# Altium PCB STM32F7_CoreBoard.PcbDoc (part 3 of 8)
Units mm, origin at the board's own origin, x right, y up, seen from the top; angles counter-clockwise.
Board outline 65 x 50 mm, 6 copper layers (L1, L2, L3, L4, L5, L6), stack 1.597 mm thick; 114 components, 192 nets, 736 pads, 791 vias.
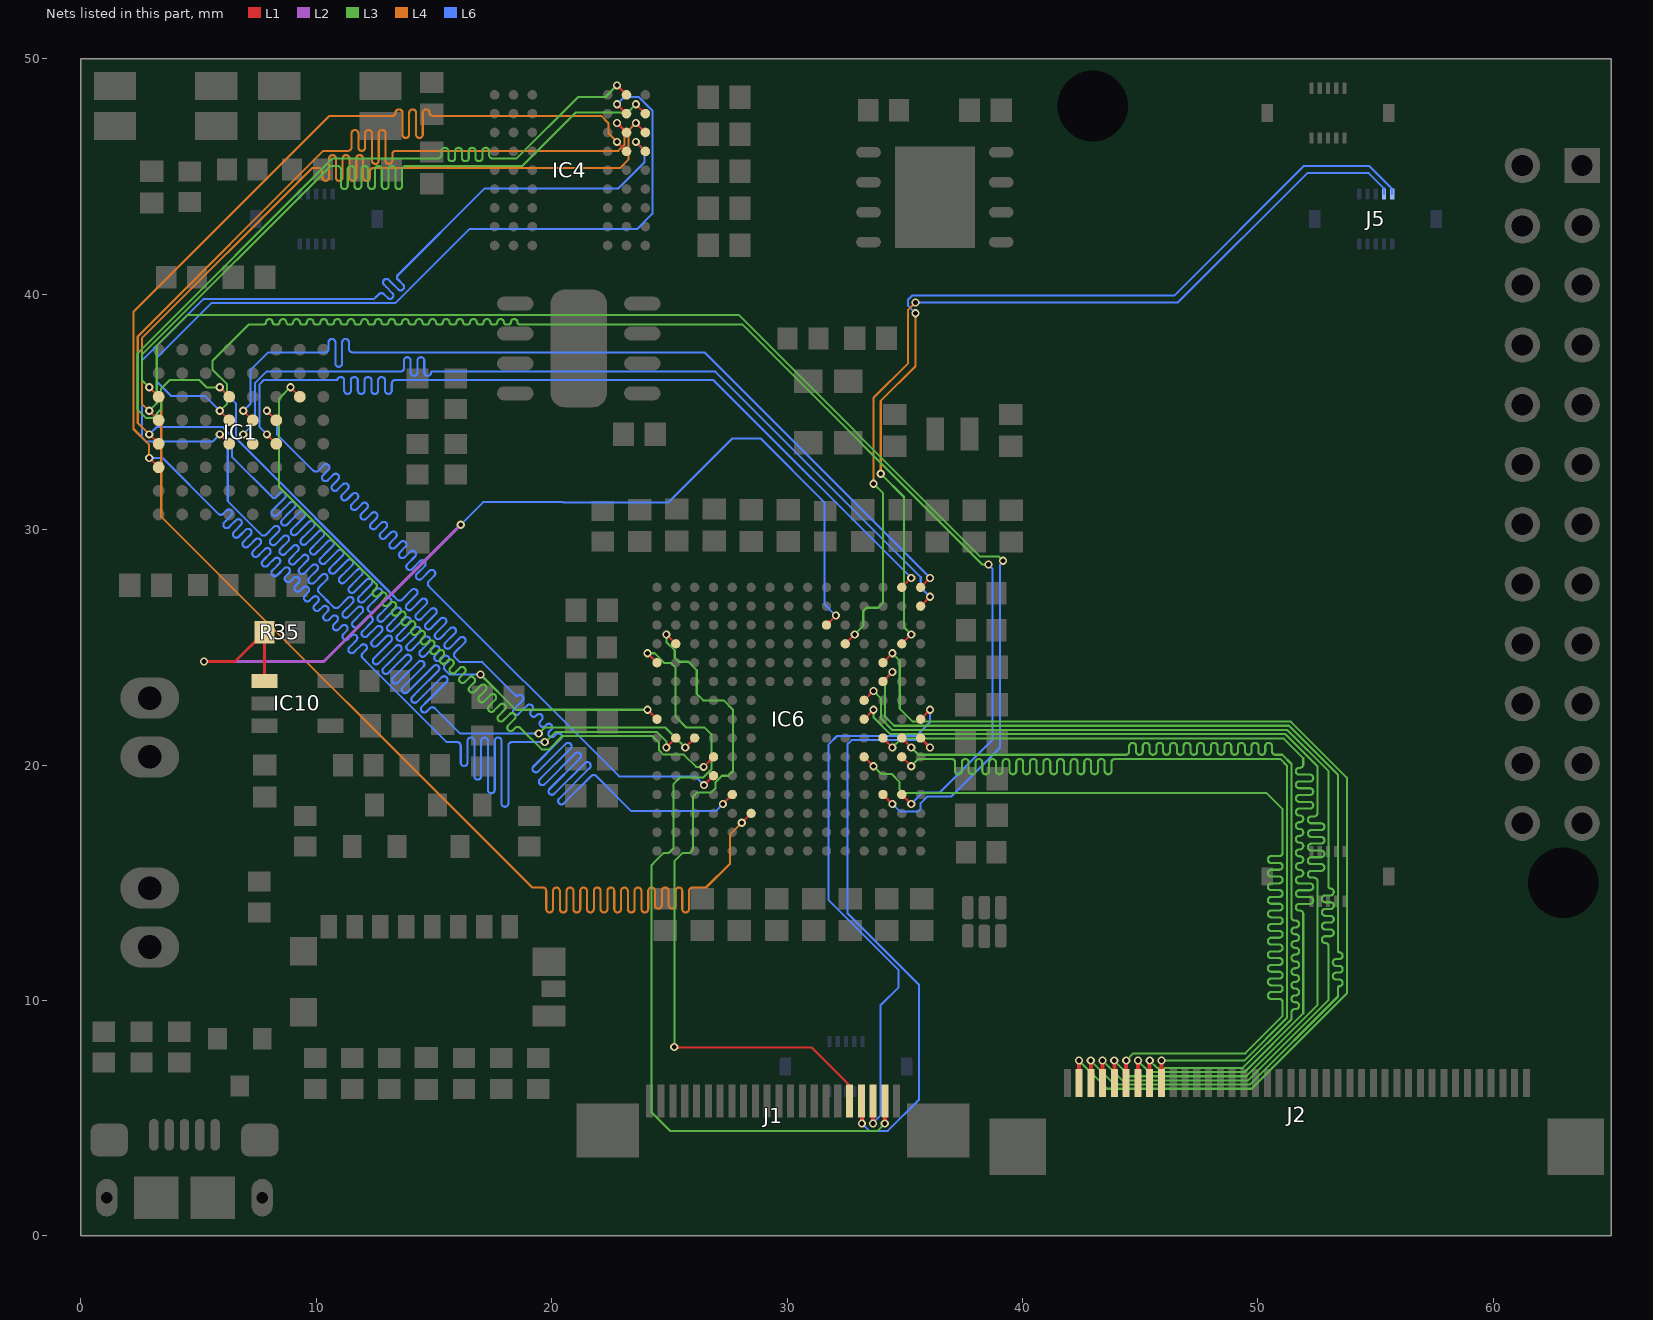
[diagram p7: the nets of this part, all layers, seen from the top]

## Via types
v1: diameter 0.35, hole 0.2, L1 to L6, tented both sides, 737 vias
v2: diameter 0.5, hole 0.25, L1 to L6, tented both sides, 20 vias
v3: diameter 0.4, hole 0.2, L1 to L6, tented both sides, 16 vias
v4: diameter 0.5, hole 0.2, L1 to L6, 12 vias
v5: diameter 0.5, hole 0.5, L1 to L6, 4 vias
v6: diameter 0.6, hole 0.3, L1 to L6, tented both sides, 2 vias

## Nets (pads, with @x,y where several pads share a name; then routed paths per layer and width w, separated by ;. In a path a pad name is that pad's centre, name@x,y a point inside that pad or via, vN(x,y) a via of type N, cw(c..) or ccw(c..) an arc to the next point about the centre after c; other vN are vias at no path point) (continued)
A17: IC1.B3 IC6.M10 | length 40.7
  L1 w0.089: v1(8.9,36.05) IC1.B3@9.3,35.65 ; v1(26.451,19.926) 26.451,19.93 26.87,20.349 IC6.M10@26.87,20.352
  L3 w0.089: v1(8.9,36.05) 8.414,35.564 8.414,31.828 12.325,27.917 12.427,27.815 12.529,27.712 cw(c12.427,27.61) 12.529,27.508 12.431,27.41 ccw(c12.534,27.308) 12.431,27.206 ccw(c12.534,27.308) 12.636,27.206 12.734,27.304 cw(c12.836,27.202) 12.938,27.304 cw(c12.836,27.202) 12.938,27.1 12.84,27.002 ccw(c12.942,26.9) 12.84,26.797 ccw(c12.942,26.9) 13.044,26.797 13.142,26.895 cw(c13.244,26.793) 13.346,26.895 cw(c13.244,26.793) 13.346,26.691 13.249,26.593 ccw(c13.351,26.491) 13.249,26.389 ccw(c13.351,26.491) 13.453,26.389 13.551,26.487 cw(c13.653,26.385) 13.755,26.487 cw(c13.653,26.385) 13.755,26.283 13.657,26.185 ccw(c13.759,26.082) 13.657,25.98 ccw(c13.759,26.082) 13.861,25.98 13.959,26.078 cw(c14.061,25.976) 14.164,26.078 cw(c14.061,25.976) 14.164,25.874 14.066,25.776 ccw(c14.168,25.674) 14.066,25.572 ccw(c14.168,25.674) 14.27,25.572 14.368,25.67 cw(c14.47,25.568) 14.572,25.67 cw(c14.47,25.568) 14.572,25.465 14.474,25.367 ccw(c14.576,25.265) 14.474,25.163 ccw(c14.576,25.265) 14.679,25.163 14.776,25.261 cw(c14.879,25.159) 14.981,25.261 cw(c14.879,25.159) 14.981,25.057 14.883,24.959 ccw(c14.985,24.857) 14.883,24.755 ccw(c14.985,24.857) 15.087,24.755 15.185,24.853 cw(c15.287,24.75) 15.389,24.853 cw(c15.287,24.75) 15.389,24.648 15.291,24.55 ccw(c15.394,24.448) 15.291,24.346 ccw(c15.394,24.448) 15.496,24.346 15.594,24.444 cw(c15.696,24.342) 15.798,24.444 cw(c15.696,24.342) 15.798,24.24 15.7,24.142 ccw(c15.802,24.04) 15.7,23.938 ccw(c15.802,24.04) 15.904,23.938 16.104,24.138 cw(c16.194,24.047) 16.284,24.138 16.309,24.113 cw(c16.218,24.023) 16.309,23.933 16.108,23.733 ccw(c16.211,23.631) 16.108,23.529 ccw(c16.211,23.631) 16.313,23.529 16.513,23.729 cw(c16.59,23.652) 16.666,23.729 16.717,23.678 cw(c16.64,23.601) 16.717,23.525 16.517,23.325 ccw(c16.619,23.223) 16.517,23.12 ccw(c16.619,23.223) 16.721,23.12 16.921,23.32 16.985,23.384 cw(c17.087,23.282) 17.189,23.384 cw(c17.087,23.282) 17.189,23.18 17.126,23.116 16.926,22.916 ccw(c17.028,22.814) 16.926,22.712 ccw(c17.028,22.814) 17.13,22.712 17.33,22.912 17.394,22.976 cw(c17.496,22.873) 17.598,22.976 cw(c17.496,22.873) 17.598,22.771 17.534,22.708 17.334,22.508 ccw(c17.436,22.405) 17.334,22.303 ccw(c17.436,22.405) 17.538,22.303 17.738,22.503 17.802,22.567 cw(c17.904,22.465) 18.007,22.567 cw(c17.904,22.465) 18.007,22.363 17.943,22.299 17.743,22.099 ccw(c17.845,21.997) 17.743,21.895 ccw(c17.845,21.997) 17.947,21.895 18.147,22.095 18.221,22.169 cw(c18.323,22.067) 18.426,22.169 cw(c18.323,22.067) 18.426,21.965 18.351,21.89 18.151,21.69 ccw(c18.253,21.588) 18.151,21.486 ccw(c18.253,21.588) 18.356,21.486 18.453,21.584 cw(c18.556,21.482) 18.658,21.584 18.708,21.533 19.57,20.672 19.888,20.672 20.455,21.238 24.272,21.238 24.562,20.948 24.562,20.625 24.742,20.444 25.615,20.444 26.132,19.926 v1(26.451,19.926)
A18: IC1.C4 IC6.M11 | length 39
  L1 w0.089: v1(7.9,35.05) IC1.C4@8.3,34.65 ; v1(26.47,19.152) IC6.M11@26.87,19.552
  L6 w0.089: v1(7.9,35.05) 8.325,34.625 8.325,34.062 9.875,32.512 ccw(c9.977,32.614) 10.079,32.512 10.312,32.745 cw(c10.415,32.643) 10.517,32.745 cw(c10.415,32.643) 10.517,32.541 10.284,32.308 ccw(c10.386,32.206) 10.284,32.104 ccw(c10.386,32.206) 10.488,32.104 10.721,32.337 cw(c10.823,32.235) 10.925,32.337 cw(c10.823,32.235) 10.925,32.133 10.692,31.899 ccw(c10.794,31.797) 10.692,31.695 ccw(c10.794,31.797) 10.896,31.695 11.13,31.928 cw(c11.232,31.826) 11.334,31.928 cw(c11.232,31.826) 11.334,31.724 11.101,31.491 ccw(c11.203,31.389) 11.101,31.287 ccw(c11.203,31.389) 11.305,31.287 11.538,31.52 cw(c11.64,31.418) 11.742,31.52 cw(c11.64,31.418) 11.742,31.315 11.509,31.082 ccw(c11.611,30.98) 11.509,30.878 ccw(c11.611,30.98) 11.714,30.878 11.947,31.111 cw(c12.049,31.009) 12.151,31.111 cw(c12.049,31.009) 12.151,30.907 11.918,30.674 ccw(c12.02,30.572) 11.918,30.469 ccw(c12.02,30.572) 12.122,30.469 12.355,30.703 cw(c12.457,30.6) 12.56,30.703 cw(c12.457,30.6) 12.56,30.498 12.326,30.265 ccw(c12.429,30.163) 12.326,30.061 ccw(c12.429,30.163) 12.531,30.061 12.764,30.294 cw(c12.866,30.192) 12.968,30.294 cw(c12.866,30.192) 12.968,30.09 12.735,29.857 ccw(c12.837,29.754) 12.735,29.652 ccw(c12.837,29.754) 12.939,29.652 13.172,29.885 cw(c13.275,29.783) 13.377,29.885 cw(c13.275,29.783) 13.377,29.681 13.144,29.448 ccw(c13.246,29.346) 13.144,29.244 ccw(c13.246,29.346) 13.348,29.244 13.581,29.477 cw(c13.683,29.375) 13.785,29.477 cw(c13.683,29.375) 13.785,29.273 13.552,29.039 ccw(c13.654,28.937) 13.552,28.835 ccw(c13.654,28.937) 13.756,28.835 13.99,29.068 cw(c14.092,28.966) 14.194,29.068 cw(c14.092,28.966) 14.194,28.864 13.859,28.529 ccw(c13.953,28.434) 13.859,28.34 13.874,28.324 ccw(c13.968,28.419) 14.063,28.324 14.398,28.66 cw(c14.5,28.558) 14.602,28.66 cw(c14.5,28.558) 14.602,28.455 14.267,28.12 ccw(c14.362,28.026) 14.267,27.931 14.282,27.916 ccw(c14.377,28.01) 14.471,27.916 14.807,28.251 cw(c14.909,28.149) 15.011,28.251 cw(c14.909,28.149) 15.011,28.047 14.778,27.814 ccw(c14.88,27.712) 14.778,27.61 14.781,27.606 22.862,19.525 26.097,19.525 v1(26.47,19.152)
A19: IC1.D5 IC6.A2 | length 39.2
  L1 w0.089: v1(6.9,34.05) IC1.D5@7.3,33.65 ; IC6.A2@35.67,26.753 v1(36.07,27.153)
  L6 w0.089: v1(6.9,34.05) 7.387,34.537 7.387,36.225 7.876,36.714 13.575,36.714 ccw(c13.575,36.858) 13.719,36.858 13.719,37.186 cw(c13.864,37.186) 13.864,37.331 cw(c13.864,37.186) 14.008,37.186 14.008,36.714 14.008,36.681 ccw(c14.153,36.681) 14.153,36.536 ccw(c14.153,36.681) 14.297,36.681 14.297,36.714 14.297,37.186 cw(c14.442,37.186) 14.442,37.331 cw(c14.442,37.186) 14.586,37.186 14.586,36.714 14.586,36.681 ccw(c14.731,36.681) 14.731,36.536 ccw(c14.731,36.681) 14.875,36.681 cw(c14.908,36.681) 14.908,36.714 15.164,36.714 15.175,36.714 26.945,36.714 35.675,27.984 35.675,27.548 v1(36.07,27.153)
A20: IC1.D4 IC6.A1 | length 39.2
  L1 w0.089: v1(6.9,35.05) IC1.D4@7.3,34.65 ; IC6.A1@35.67,27.553 v1(36.07,27.953)
  L6 w0.089: v1(6.9,35.05) 7.21,35.36 7.21,36.796 7.95,37.536 10.375,37.536 ccw(c10.375,37.681) 10.519,37.681 10.519,37.961 cw(c10.664,37.961) 10.664,38.106 cw(c10.664,37.961) 10.808,37.961 10.808,37.536 10.808,37.064 ccw(c10.953,37.064) 10.953,36.919 ccw(c10.953,37.064) 11.097,37.064 11.097,37.536 11.097,37.961 cw(c11.242,37.961) 11.242,38.106 cw(c11.242,37.961) 11.386,37.961 11.386,37.681 ccw(c11.531,37.681) 11.531,37.536 11.675,37.536 11.75,37.536 26.487,37.536 v1(36.07,27.953)
A21: IC1.C5 IC6.B1 | length 39.3
  L1 w0.089: v1(7.9,34.05) IC1.C5@8.3,33.65 ; IC6.B1@34.87,27.553 v1(35.27,27.953)
  L6 w0.089: v1(7.9,34.05) 7.592,34.358 7.592,36.178 7.772,36.358 10.75,36.358 10.894,36.358 cw(c11.017,36.358) 11.017,36.481 11.061,36.481 cw(c11.061,36.358) 11.183,36.358 11.183,35.914 ccw(c11.328,35.914) 11.328,35.769 ccw(c11.328,35.914) 11.472,35.914 11.472,36.358 cw(c11.594,36.358) 11.594,36.481 11.639,36.481 cw(c11.639,36.358) 11.761,36.358 11.761,35.914 ccw(c11.906,35.914) 11.906,35.769 ccw(c11.906,35.914) 12.05,35.914 12.05,36.358 cw(c12.172,36.358) 12.172,36.481 12.217,36.481 cw(c12.217,36.358) 12.339,36.358 12.339,35.914 ccw(c12.483,35.914) 12.483,35.769 ccw(c12.483,35.914) 12.628,35.914 12.628,36.358 cw(c12.75,36.358) 12.75,36.481 12.795,36.481 cw(c12.795,36.358) 12.917,36.358 12.917,35.914 ccw(c13.061,35.914) 13.061,35.769 ccw(c13.061,35.914) 13.206,35.914 13.206,36.214 cw(c13.35,36.214) 13.35,36.358 13.45,36.358 26.865,36.358 v1(35.27,27.953)
B0: IC6.B10 J2.9 | length 47.2
  L1 w0.089: IC6.B10@34.87,20.352 v1(35.27,19.952)
  L1 w0.169: J2.9@45.9,6.5 v1(45.9,7.45)
  L3 w0.089: v1(35.27,19.952) 35.582,20.264 36.7,20.264 36.844,20.264 36.989,20.264 cw(c36.989,20.119) 37.133,20.119 37.133,19.756 ccw(c37.278,19.756) 37.278,19.611 ccw(c37.278,19.756) 37.422,19.756 37.422,20.119 cw(c37.567,20.119) 37.567,20.264 cw(c37.567,20.119) 37.711,20.119 37.711,19.756 ccw(c37.856,19.756) 37.856,19.611 ccw(c37.856,19.756) 38,19.756 38,20.119 cw(c38.144,20.119) 38.144,20.264 cw(c38.144,20.119) 38.289,20.119 38.289,19.756 ccw(c38.433,19.756) 38.433,19.611 ccw(c38.433,19.756) 38.578,19.756 38.578,20.119 cw(c38.722,20.119) 38.722,20.264 cw(c38.722,20.119) 38.867,20.119 38.867,19.756 ccw(c39.011,19.756) 39.011,19.611 ccw(c39.011,19.756) 39.156,19.756 39.156,20.119 cw(c39.3,20.119) 39.3,20.264 cw(c39.3,20.119) 39.445,20.119 39.445,19.756 ccw(c39.589,19.756) 39.589,19.611 ccw(c39.589,19.756) 39.733,19.756 39.733,20.119 cw(c39.878,20.119) 39.878,20.264 cw(c39.878,20.119) 40.022,20.119 40.022,19.756 ccw(c40.167,19.756) 40.167,19.611 ccw(c40.167,19.756) 40.311,19.756 40.311,20.119 cw(c40.456,20.119) 40.456,20.264 cw(c40.456,20.119) 40.6,20.119 40.6,19.756 ccw(c40.745,19.756) 40.745,19.611 ccw(c40.745,19.756) 40.889,19.756 40.889,20.119 cw(c41.033,20.119) 41.033,20.264 cw(c41.033,20.119) 41.178,20.119 41.178,19.756 ccw(c41.322,19.756) 41.322,19.611 ccw(c41.322,19.756) 41.467,19.756 41.467,20.119 cw(c41.611,20.119) 41.611,20.264 cw(c41.611,20.119) 41.756,20.119 41.756,19.756 ccw(c41.9,19.756) 41.9,19.611 ccw(c41.9,19.756) 42.045,19.756 42.045,20.119 cw(c42.189,20.119) 42.189,20.264 cw(c42.189,20.119) 42.334,20.119 42.334,19.756 ccw(c42.478,19.756) 42.478,19.611 ccw(c42.478,19.756) 42.622,19.756 42.622,20.119 cw(c42.767,20.119) 42.767,20.264 cw(c42.767,20.119) 42.911,20.119 42.911,19.756 ccw(c43.056,19.756) 43.056,19.611 ccw(c43.056,19.756) 43.2,19.756 43.2,20.119 cw(c43.345,20.119) 43.345,20.264 cw(c43.345,20.119) 43.489,20.119 43.489,19.756 ccw(c43.634,19.756) 43.634,19.611 ccw(c43.634,19.756) 43.778,19.756 43.778,20.119 cw(c43.922,20.119) 43.922,20.264 44.067,20.264 44.356,20.264 44.385,20.264 50.947,20.264 51.225,19.985 51.225,9.259 49.416,7.45 v1(45.9,7.45)
B1: IC6.B9 J2.8 | length 47
  L1 w0.089: IC6.B9@34.87,21.152 v1(35.27,20.752)
  L1 w0.169: J2.8@45.4,6.5 v1(45.4,7.45)
  L3 w0.089: v1(35.27,20.752) 35.581,20.442 44.225,20.442 44.241,20.442 44.385,20.442 ccw(c44.385,20.586) 44.53,20.586 44.53,20.803 cw(c44.674,20.803) 44.674,20.947 cw(c44.674,20.803) 44.819,20.803 44.819,20.586 ccw(c44.963,20.586) 44.963,20.442 ccw(c44.963,20.586) 45.107,20.586 45.107,20.803 cw(c45.252,20.803) 45.252,20.947 cw(c45.252,20.803) 45.396,20.803 45.396,20.586 ccw(c45.541,20.586) 45.541,20.442 ccw(c45.541,20.586) 45.685,20.586 45.685,20.803 cw(c45.83,20.803) 45.83,20.947 cw(c45.83,20.803) 45.974,20.803 45.974,20.586 ccw(c46.119,20.586) 46.119,20.442 ccw(c46.119,20.586) 46.263,20.586 46.263,20.803 cw(c46.408,20.803) 46.408,20.947 cw(c46.408,20.803) 46.552,20.803 46.552,20.586 ccw(c46.696,20.586) 46.696,20.442 ccw(c46.696,20.586) 46.841,20.586 46.841,20.803 cw(c46.985,20.803) 46.985,20.947 cw(c46.985,20.803) 47.13,20.803 47.13,20.586 ccw(c47.274,20.586) 47.274,20.442 ccw(c47.274,20.586) 47.419,20.586 47.419,20.803 cw(c47.563,20.803) 47.563,20.947 cw(c47.563,20.803) 47.708,20.803 47.708,20.586 ccw(c47.852,20.586) 47.852,20.442 ccw(c47.852,20.586) 47.996,20.586 47.996,20.803 cw(c48.141,20.803) 48.141,20.947 cw(c48.141,20.803) 48.285,20.803 48.285,20.586 ccw(c48.43,20.586) 48.43,20.442 ccw(c48.43,20.586) 48.574,20.586 48.574,20.803 cw(c48.719,20.803) 48.719,20.947 cw(c48.719,20.803) 48.863,20.803 48.863,20.586 ccw(c49.008,20.586) 49.008,20.442 ccw(c49.008,20.586) 49.152,20.586 49.152,20.803 cw(c49.297,20.803) 49.297,20.947 cw(c49.297,20.803) 49.441,20.803 49.441,20.586 ccw(c49.585,20.586) 49.585,20.442 ccw(c49.585,20.586) 49.73,20.586 49.73,20.803 cw(c49.874,20.803) 49.874,20.947 cw(c49.874,20.803) 50.019,20.803 50.019,20.586 ccw(c50.163,20.586) 50.163,20.442 ccw(c50.163,20.586) 50.308,20.586 50.308,20.803 cw(c50.452,20.803) 50.452,20.947 cw(c50.452,20.803) 50.597,20.803 50.597,20.586 ccw(c50.741,20.586) 50.741,20.442 50.885,20.442 51.03,20.442 51.425,20.047 51.425,13.875 51.425,13.685 51.425,13.541 ccw(c51.569,13.541) 51.569,13.396 51.603,13.396 cw(c51.603,13.252) 51.747,13.252 cw(c51.603,13.252) 51.603,13.107 51.569,13.107 ccw(c51.569,12.963) 51.425,12.963 ccw(c51.569,12.963) 51.569,12.818 51.603,12.818 cw(c51.603,12.674) 51.747,12.674 cw(c51.603,12.674) 51.603,12.53 51.569,12.53 ccw(c51.569,12.385) 51.425,12.385 ccw(c51.569,12.385) 51.569,12.241 51.603,12.241 cw(c51.603,12.096) 51.747,12.096 cw(c51.603,12.096) 51.603,11.952 51.569,11.952 ccw(c51.569,11.807) 51.425,11.807 ccw(c51.569,11.807) 51.569,11.663 51.603,11.663 cw(c51.603,11.518) 51.747,11.518 cw(c51.603,11.518) 51.603,11.374 51.569,11.374 ccw(c51.569,11.23) 51.425,11.23 ccw(c51.569,11.23) 51.569,11.085 51.603,11.085 cw(c51.603,10.941) 51.747,10.941 cw(c51.603,10.941) 51.603,10.796 51.569,10.796 ccw(c51.569,10.652) 51.425,10.652 ccw(c51.569,10.652) 51.569,10.507 51.603,10.507 cw(c51.603,10.363) 51.747,10.363 cw(c51.603,10.363) 51.603,10.218 51.569,10.218 ccw(c51.569,10.074) 51.425,10.074 ccw(c51.569,10.074) 51.569,9.929 51.603,9.929 cw(c51.603,9.785) 51.747,9.785 cw(c51.603,9.785) 51.603,9.641 51.569,9.641 ccw(c51.569,9.496) 51.425,9.496 51.425,9.352 51.425,9.207 49.359,7.142 45.708,7.142 v1(45.4,7.45)
B2: IC6.C9 J2.7 | length 47
  L1 w0.089: IC6.C9@34.07,21.152 v1(34.47,20.752)
  L1 w0.169: J2.7@44.9,6.5 v1(44.9,7.45)
  L3 w0.089: v1(34.47,20.752) 34.843,21.125 51.1,21.125 51.925,20.3 51.925,20.175 51.925,20.031 cw(c51.781,20.031) 51.781,19.886 51.753,19.886 ccw(c51.753,19.742) 51.608,19.742 ccw(c51.753,19.742) 51.753,19.597 51.925,19.597 52.203,19.597 cw(c52.203,19.453) 52.347,19.453 cw(c52.203,19.453) 52.203,19.309 51.925,19.309 51.753,19.309 ccw(c51.753,19.164) 51.608,19.164 ccw(c51.753,19.164) 51.753,19.02 51.925,19.02 52.203,19.02 cw(c52.203,18.875) 52.347,18.875 cw(c52.203,18.875) 52.203,18.731 51.925,18.731 51.753,18.731 ccw(c51.753,18.586) 51.608,18.586 ccw(c51.753,18.586) 51.753,18.442 51.925,18.442 52.203,18.442 cw(c52.203,18.297) 52.347,18.297 cw(c52.203,18.297) 52.203,18.153 51.925,18.153 51.753,18.153 ccw(c51.753,18.008) 51.608,18.008 ccw(c51.753,18.008) 51.753,17.864 51.781,17.864 cw(c51.781,17.72) 51.925,17.72 cw(c51.781,17.72) 51.781,17.575 51.753,17.575 ccw(c51.753,17.431) 51.608,17.431 ccw(c51.753,17.431) 51.753,17.286 51.781,17.286 cw(c51.781,17.142) 51.925,17.142 cw(c51.781,17.142) 51.781,16.997 51.753,16.997 ccw(c51.753,16.853) 51.608,16.853 ccw(c51.753,16.853) 51.753,16.708 51.781,16.708 cw(c51.781,16.564) 51.925,16.564 cw(c51.781,16.564) 51.781,16.42 51.753,16.42 ccw(c51.753,16.275) 51.608,16.275 ccw(c51.753,16.275) 51.753,16.131 51.781,16.131 cw(c51.781,15.986) 51.925,15.986 cw(c51.781,15.986) 51.781,15.842 51.753,15.842 ccw(c51.753,15.697) 51.608,15.697 ccw(c51.753,15.697) 51.753,15.553 51.781,15.553 cw(c51.781,15.408) 51.925,15.408 cw(c51.781,15.408) 51.781,15.264 51.753,15.264 ccw(c51.753,15.119) 51.608,15.119 ccw(c51.753,15.119) 51.753,14.975 51.925,14.975 52.203,14.975 cw(c52.203,14.831) 52.347,14.831 cw(c52.203,14.831) 52.203,14.686 51.925,14.686 51.753,14.686 ccw(c51.753,14.542) 51.608,14.542 ccw(c51.753,14.542) 51.753,14.397 51.925,14.397 52.203,14.397 cw(c52.203,14.253) 52.347,14.253 cw(c52.203,14.253) 52.203,14.108 51.925,14.108 51.753,14.108 ccw(c51.753,13.964) 51.608,13.964 ccw(c51.753,13.964) 51.753,13.819 51.781,13.819 cw(c51.781,13.675) 51.925,13.675 51.925,9.456 49.433,6.964 45.386,6.964 v1(44.9,7.45)
B3: IC6.D10 J2.6 | length 47.1
  L1 w0.089: IC6.D10@33.27,20.352 v1(33.67,19.952)
  L1 w0.169: J2.6@44.4,6.5 v1(44.4,7.45)
  L3 w0.089: v1(33.67,19.952) 34,19.622 34.436,19.622 34.779,19.28 34.779,18.971 34.925,18.825 50.35,18.825 51.047,18.128 51.047,16.325 51.047,16.281 cw(c50.903,16.281) 50.903,16.136 50.564,16.136 ccw(c50.564,15.992) 50.419,15.992 ccw(c50.564,15.992) 50.564,15.847 50.903,15.847 cw(c50.903,15.703) 51.047,15.703 cw(c50.903,15.703) 50.903,15.559 50.564,15.559 ccw(c50.564,15.414) 50.419,15.414 ccw(c50.564,15.414) 50.564,15.27 50.903,15.27 cw(c50.903,15.125) 51.047,15.125 cw(c50.903,15.125) 50.903,14.981 50.564,14.981 ccw(c50.564,14.836) 50.419,14.836 ccw(c50.564,14.836) 50.564,14.692 50.903,14.692 cw(c50.903,14.547) 51.047,14.547 cw(c50.903,14.547) 50.903,14.403 50.564,14.403 ccw(c50.564,14.258) 50.419,14.258 ccw(c50.564,14.258) 50.564,14.114 50.903,14.114 cw(c50.903,13.97) 51.047,13.97 cw(c50.903,13.97) 50.903,13.825 50.564,13.825 ccw(c50.564,13.681) 50.419,13.681 ccw(c50.564,13.681) 50.564,13.536 50.903,13.536 cw(c50.903,13.392) 51.047,13.392 cw(c50.903,13.392) 50.903,13.247 50.564,13.247 ccw(c50.564,13.103) 50.419,13.103 ccw(c50.564,13.103) 50.564,12.958 50.903,12.958 cw(c50.903,12.814) 51.047,12.814 cw(c50.903,12.814) 50.903,12.67 50.564,12.67 ccw(c50.564,12.525) 50.419,12.525 ccw(c50.564,12.525) 50.564,12.381 50.903,12.381 cw(c50.903,12.236) 51.047,12.236 cw(c50.903,12.236) 50.903,12.092 50.564,12.092 ccw(c50.564,11.947) 50.419,11.947 ccw(c50.564,11.947) 50.564,11.803 50.903,11.803 cw(c50.903,11.658) 51.047,11.658 cw(c50.903,11.658) 50.903,11.514 50.564,11.514 ccw(c50.564,11.369) 50.419,11.369 ccw(c50.564,11.369) 50.564,11.225 50.903,11.225 cw(c50.903,11.081) 51.047,11.081 cw(c50.903,11.081) 50.903,10.936 50.564,10.936 ccw(c50.564,10.792) 50.419,10.792 ccw(c50.564,10.792) 50.564,10.647 50.903,10.647 cw(c50.903,10.503) 51.047,10.503 cw(c50.903,10.503) 50.903,10.358 50.564,10.358 ccw(c50.564,10.214) 50.419,10.214 ccw(c50.564,10.214) 50.564,10.069 50.903,10.069 cw(c50.903,9.925) 51.047,9.925 51.047,9.781 51.047,9.492 51.047,9.347 49.458,7.758 44.708,7.758 v1(44.4,7.45)
B4: IC6.D8 J2.5 | length 47.1
  L1 w0.089: IC6.D8@33.27,21.952 v1(33.67,22.352)
  L1 w0.169: J2.5@43.9,6.5 v1(43.9,7.45)
  L3 w0.089: v1(33.67,22.352) 33.67,22.03 34.383,21.317 51.171,21.317 52.525,19.962 52.525,18.025 52.525,17.964 cw(c52.381,17.964) 52.381,17.82 52.264,17.82 ccw(c52.264,17.675) 52.119,17.675 ccw(c52.264,17.675) 52.264,17.531 52.525,17.531 52.678,17.531 cw(c52.678,17.386) 52.822,17.386 cw(c52.678,17.386) 52.678,17.242 52.525,17.242 52.264,17.242 ccw(c52.264,17.097) 52.119,17.097 ccw(c52.264,17.097) 52.264,16.953 52.525,16.953 52.678,16.953 cw(c52.678,16.808) 52.822,16.808 cw(c52.678,16.808) 52.678,16.664 52.525,16.664 52.264,16.664 ccw(c52.264,16.519) 52.119,16.519 ccw(c52.264,16.519) 52.264,16.375 52.525,16.375 52.678,16.375 cw(c52.678,16.231) 52.822,16.231 cw(c52.678,16.231) 52.678,16.086 52.525,16.086 52.264,16.086 ccw(c52.264,15.942) 52.119,15.942 ccw(c52.264,15.942) 52.264,15.797 52.525,15.797 52.678,15.797 cw(c52.678,15.653) 52.822,15.653 cw(c52.678,15.653) 52.678,15.508 52.525,15.508 52.264,15.508 ccw(c52.264,15.364) 52.119,15.364 ccw(c52.264,15.364) 52.264,15.219 52.381,15.219 cw(c52.381,15.075) 52.525,15.075 52.525,9.804 49.507,6.786 44.564,6.786 v1(43.9,7.45)
B5: IC6.D7 J2.4 | length 46.8
  L1 w0.089: IC6.D7@33.27,22.752 v1(33.67,23.152)
  L1 w0.169: J2.4@43.4,6.5 v1(43.4,7.45)
  L3 w0.089: v1(33.67,23.152) 33.979,22.844 33.979,21.987 34.472,21.494 51.244,21.494 53,19.739 53,15.05 53,15.045 53,14.831 ccw(c53.075,14.831) 53.075,14.756 cw(c53.075,14.611) 53.219,14.611 cw(c53.075,14.611) 53.075,14.467 53,14.467 52.858,14.467 ccw(c52.858,14.322) 52.714,14.322 ccw(c52.858,14.322) 52.858,14.178 53,14.178 53.075,14.178 cw(c53.075,14.033) 53.219,14.033 cw(c53.075,14.033) 53.075,13.889 53,13.889 52.858,13.889 ccw(c52.858,13.744) 52.714,13.744 ccw(c52.858,13.744) 52.858,13.6 53,13.6 53.075,13.6 cw(c53.075,13.456) 53.219,13.456 cw(c53.075,13.456) 53.075,13.311 53,13.311 52.858,13.311 ccw(c52.858,13.167) 52.714,13.167 ccw(c52.858,13.167) 52.858,13.022 53,13.022 53.075,13.022 cw(c53.075,12.878) 53.219,12.878 cw(c53.075,12.878) 53.075,12.733 53,12.733 52.858,12.733 ccw(c52.858,12.589) 52.714,12.589 ccw(c52.858,12.589) 52.858,12.444 cw(c52.858,12.303) 53,12.303 53,12.3 53,10.028 49.58,6.608 44.242,6.608 v1(43.4,7.45)
B6: IC6.C6 J2.3 | length 47.1
  L1 w0.089: IC6.C6@34.07,23.553 v1(34.47,23.953)
  L1 w0.169: J2.3@42.9,6.5 v1(42.9,7.45)
  L3 w0.089: v1(34.47,23.953) 34.162,23.644 34.162,22.056 34.545,21.672 51.318,21.672 53.397,19.593 53.397,12.275 53.397,12.107 ccw(c53.453,12.107) 53.453,12.051 cw(c53.453,11.907) 53.597,11.907 cw(c53.453,11.907) 53.453,11.763 53.397,11.763 53.322,11.763 ccw(c53.322,11.618) 53.178,11.618 ccw(c53.322,11.618) 53.322,11.474 53.397,11.474 53.453,11.474 cw(c53.453,11.329) 53.597,11.329 cw(c53.453,11.329) 53.453,11.185 53.397,11.185 53.322,11.185 ccw(c53.322,11.04) 53.178,11.04 ccw(c53.322,11.04) 53.322,10.896 53.397,10.896 53.453,10.896 cw(c53.453,10.751) 53.597,10.751 cw(c53.453,10.751) 53.453,10.607 ccw(c53.453,10.551) 53.397,10.551 53.397,10.318 53.397,10.174 49.654,6.43 43.92,6.43 v1(42.9,7.45)
B7: IC6.C5 J2.2 | length 46.9
  L1 w0.089: IC6.C5@34.07,24.353 v1(34.47,24.753)
  L1 w0.169: J2.2@42.4,6.5 v1(42.4,7.45)
  L3 w0.089: v1(34.47,24.753) 34.784,24.439 34.784,22.402 35.337,21.85 51.392,21.85 53.775,19.467 53.775,10.3 49.728,6.253 43.597,6.253 v1(42.4,7.45)
CAMERA_LIGHT: IC6.R5 J1.21 | length 35
  L1 w0.089: v1(24.07,24.753) IC6.R5@24.47,24.353
  L1 w0.169: v1(34.15,4.775) J1.21@34.15,5.725
  L3 w0.089: v1(24.07,24.753) 24.37,24.753 24.791,24.332 25.068,24.332 25.261,24.139 25.261,22.061 25.727,21.595 26.496,21.595 26.779,21.313 26.779,19.817 26.436,19.475 25.45,19.475 25.179,19.204 25.179,16.479 24.96,16.26 24.742,16.26 24.308,15.826 24.308,15.822 24.242,15.756 24.242,5.247 25.022,4.467 33.842,4.467 v1(34.15,4.775)